# Altium PCB 主控板20160428.PcbDoc
Units mm, origin at the board's own origin, x right, y up, seen from the top; angles counter-clockwise.
Board outline 105 x 80 mm, 2 copper layers (Top Layer, Bottom Layer); 83 components, 134 nets, 479 pads, 188 vias.
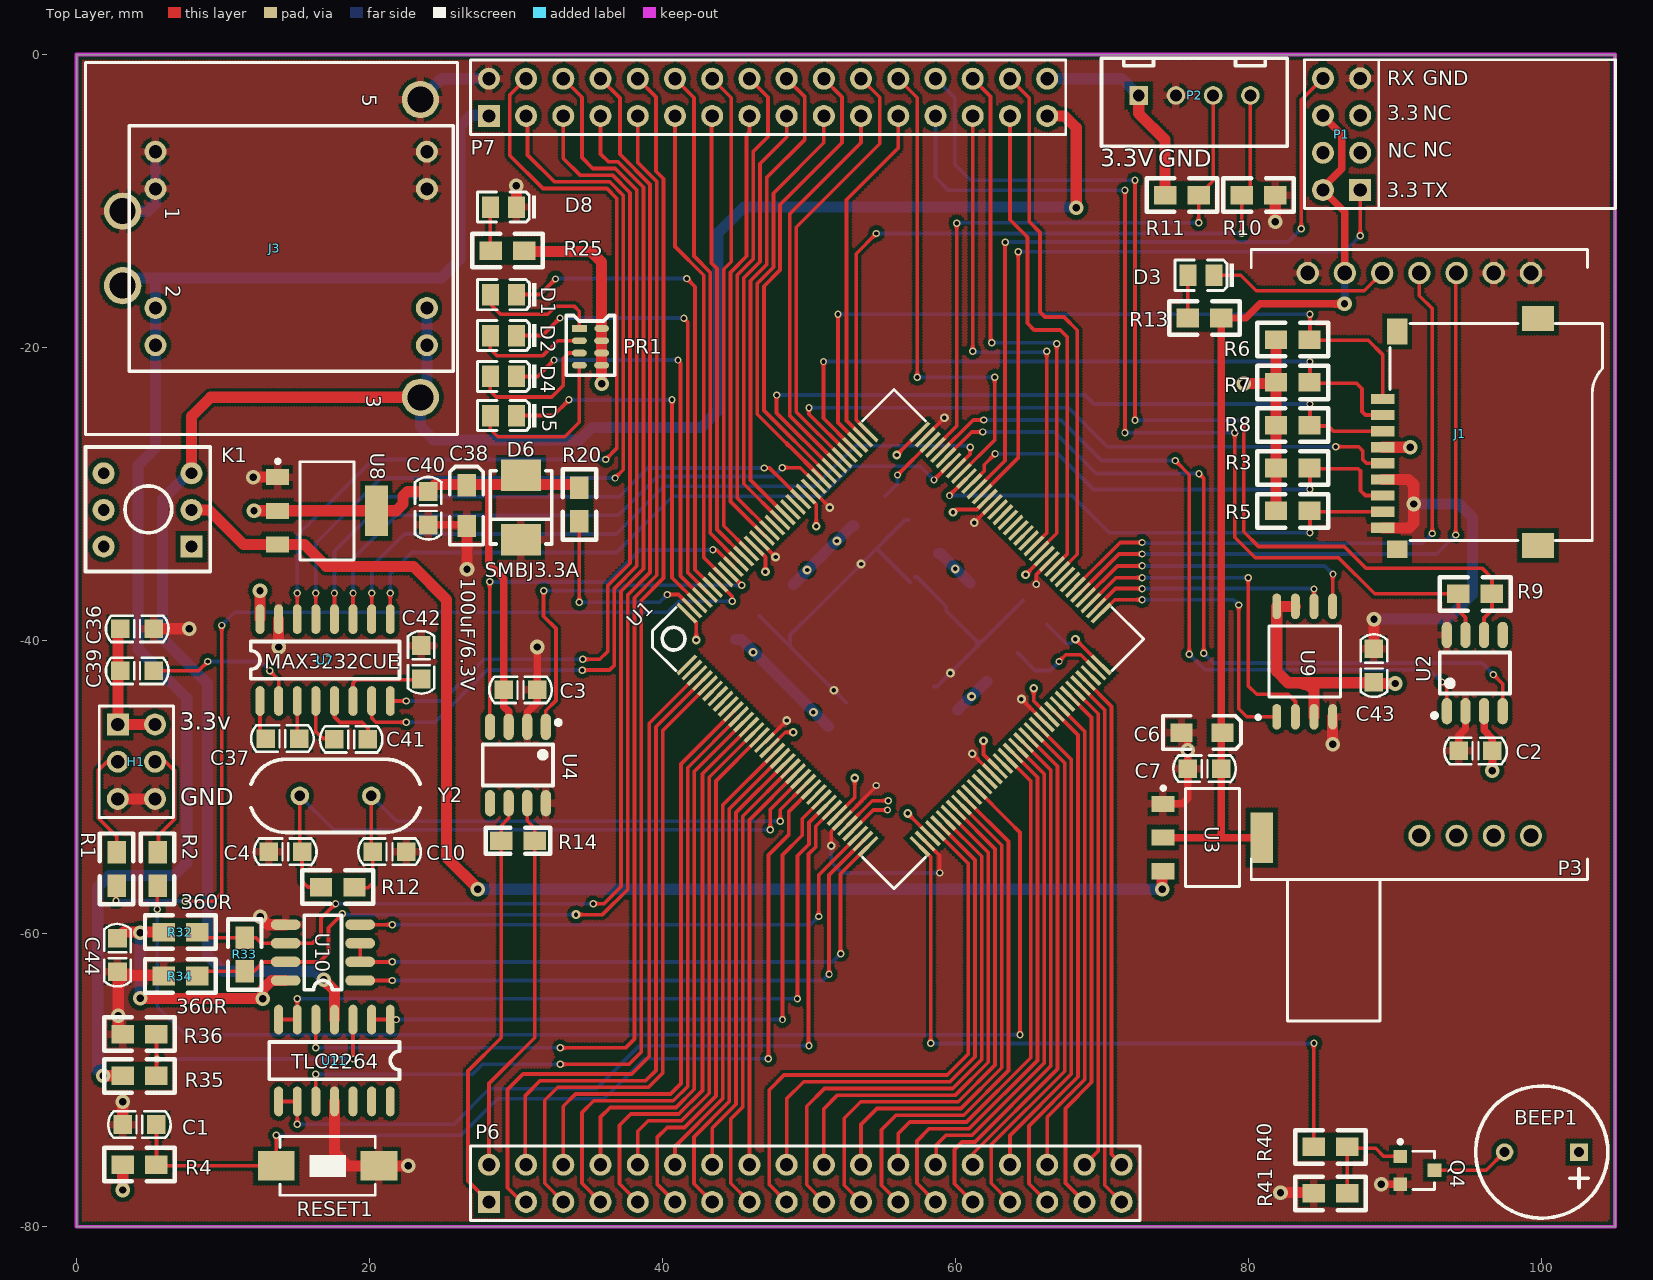
[diagram p0: Top Layer view]
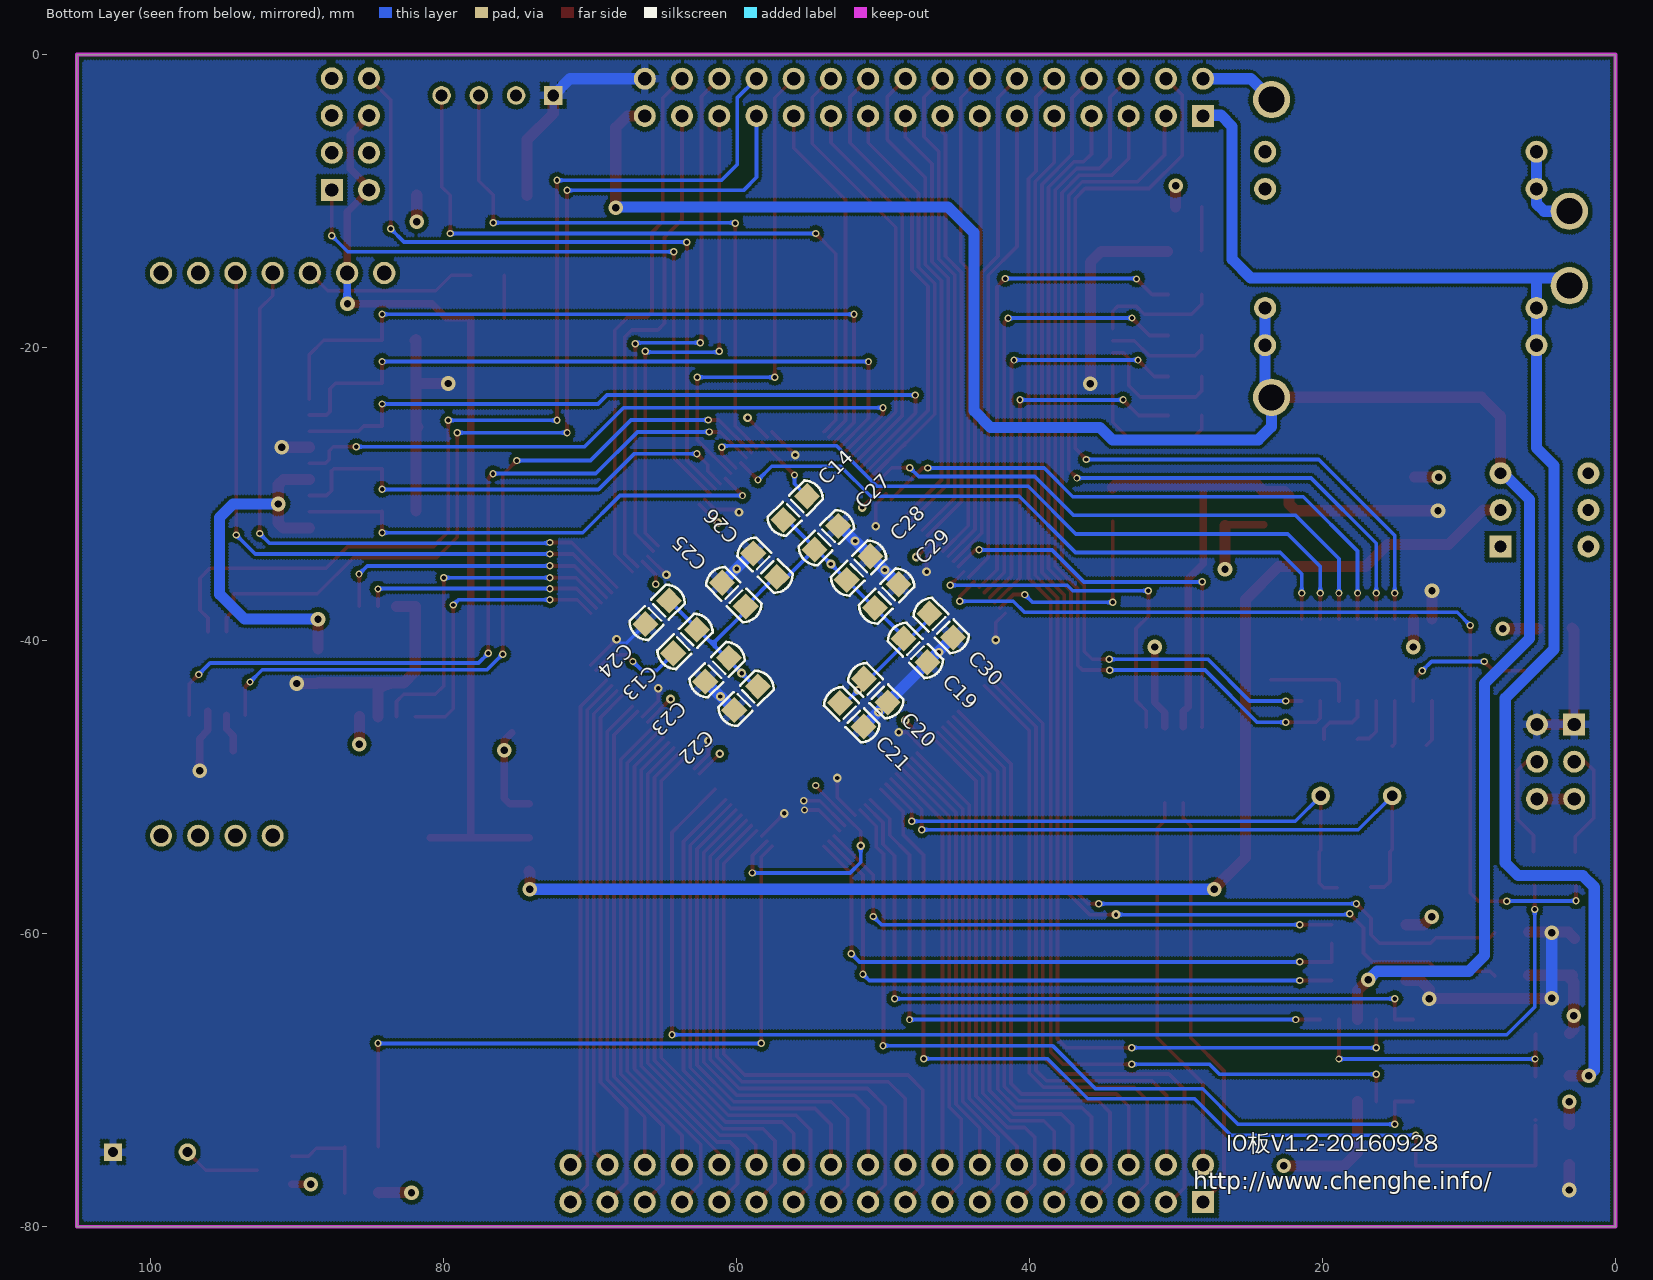
[diagram p1: Bottom Layer view, seen from below]
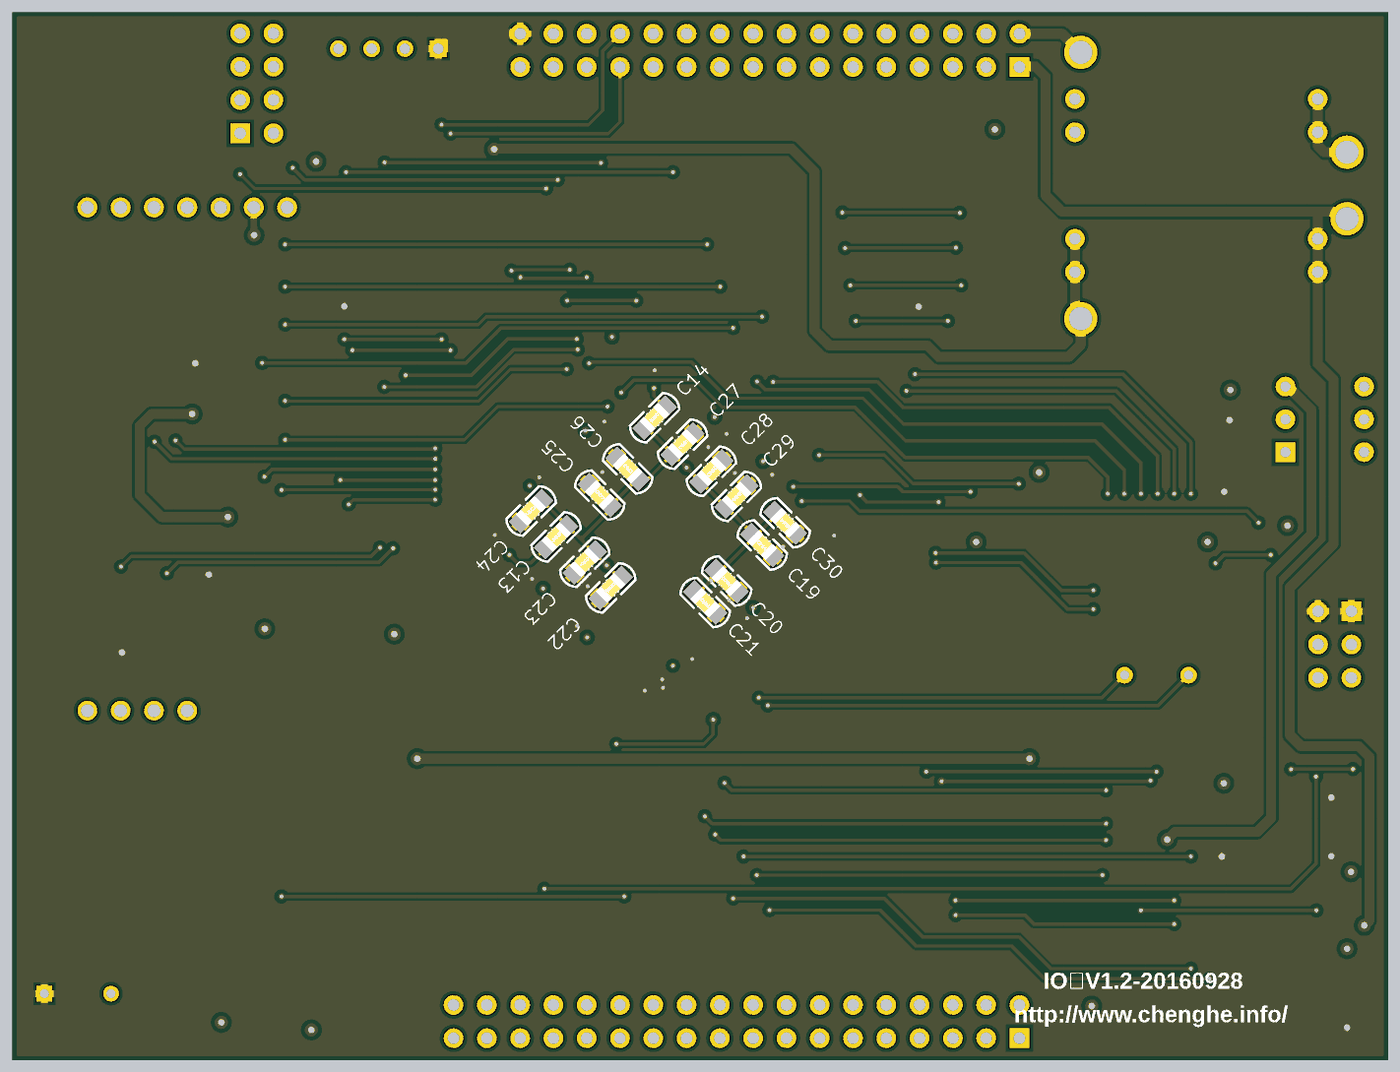
[diagram p2: 3D render of the assembled board from below, using the file's embedded part models]

## Layer stack, top to bottom
Top Solder: solder mask 0.0102, Solder Resist, Dk 3.5
Top Layer: signal copper 0.0356
Dielectric1: core 0.32, FR-4, Dk 4.8
Bottom Layer: signal copper 0.0356
Bottom Solder: solder mask 0.0102, Solder Resist, Dk 3.5

## Board outline
0,0 105,0 105,-80 0,-80 0,0

## Design rules (kind name [scope] priority, off if disabled: settings)
Clearance ispad [IsPad vs InPolygon] p1: gap=0.3
Clearance isvia [IsVia vs InPolygon] p2: gap=0.3
Clearance [All] p3: gap=0.203
HoleToHoleClearance [All] p1: gap=0.102 allowstackedmicrovias=TRUE
MinimumSolderMaskSliver [All] p1: minsoldermaskwidth=0
PolygonConnect PolygonConnect_1 [IsVia] p1: connectstyle=Direct reliefconductorwidth=0.254 reliefentries=4 polygonreliefangle="90 Angle" airgapwidth=0.254
PolygonConnect [IsPad] p2: connectstyle=Relief reliefconductorwidth=0.508 reliefentries=4 polygonreliefangle="90 Angle" airgapwidth=0.254
RoutingVias [All] p1: holewidth=0.711 width=1.27 viastyle="Through Hole" minholewidth=0.25 minwidth=0.5 maxholewidth=0.711 maxwidth=1.27
SilkToSilkClearance [All] p1: silktosilkclearance=-1
SilkToSolderMaskClearance SilkscreenOverComponentPads [IsPad] p1: minsilkscreentomaskgap=-1 clearancetoexposedcopper=TRUE
SolderMaskExpansion [All] p1: expansion=0.102
UnpouredPolygon [All] p1: allowunpoured=FALSE
Width [All] p1: maxlimit=2.54 minlimit=0.152 preferedwidth=0.254
25 further rules are at their usual default settings.

## Components (designator, comment, footprint, x,y, rotation, side; value= is the part's Value field where it differs from the comment)
BEEP1 "BEEP" BELL-5 102.54,-74.905 r180 top
C1 "0.1uF" C0805 4.293,-73.025 r180 top
C2 "104" C0805 95.479,-47.523 r180 top
C3 "104" C0805 30.302,-43.358 r0 top
C4 "22pF" C0805 14.249,-54.407 r0 top
C6 "100uF/6.3V" 3216 76.81,-46.279 r0 top
C7 "0.1uF" C0805 76.987,-48.743 r0 top
C10 "22pF" C0805 21.361,-54.407 r180 top
C13 "2.2uF" C0805 63.495,-40.051 r135 bottom
C14 "2.2uF" C0805 55.977,-30.958 r315 bottom
C19 "0.1uF" C0805 47.773,-40.67 r225 bottom
C20 "0.1uF" C0805 50.484,-43.413 r225 bottom
C21 "0.1uF" C0805 52.125,-45.055 r225 bottom
C22 "0.1uF" C0805 59.33,-43.937 r315 bottom
C23 "0.1uF" C0805 61.311,-41.982 r315 bottom
C24 "0.1uF" C0805 65.4,-38.07 r315 bottom
C25 "0.1uF" C0805 60.168,-36.86 r45 bottom
C26 "0.1uF" C0805 58.034,-34.853 r45 bottom
C27 "0.1uF" C0805 53.853,-32.974 r135 bottom
C28 "0.1uF" C0805 51.652,-35.047 r135 bottom
C29 "0.1uF" C0805 49.738,-36.962 r135 bottom
C30 "0.1uF" C0805 46.02,-38.968 r225 bottom
C36 "0.1uF" C0805 4.14,-39.192 r180 top
C37 "0.1uF" C0805 14.046,-46.685 r0 top
C38 "100uF/6.3V" 3216 26.619,-30.785 r90 top
C39 "0.1uF" C0805 4.14,-42.062 r180 top
C40 "0.1uF" C0805 24.003,-30.963 r90 top
C41 "0.1uF" C0805 18.745,-46.736 r0 top
C42 "0.1uF" C0805 23.52,-41.478 r90 top
C43 "0.1uF" C0805 88.544,-41.707 r90 top
C44 "0.1uF" C0805 2.794,-61.468 r270 top
D1 "LED0" LC-0805_LED_S1 28.245,-16.383 r180 top
D2 "LED0" LC-0805_LED_S1 28.245,-19.177 r180 top
D3 "LED0" LC-0805_LED_S1 75.844,-15.062 r180 top
D4 "LED0" LC-0805_LED_S1 28.245,-21.971 r180 top
D5 "LED0" LC-0805_LED_S1 28.245,-24.638 r180 top
D6 "SMBJ3.3A" SMB(DO-214AA)_S1 30.328,-30.912 r90 top
D8 "LED0" LC-0805_LED_S1 28.237,-10.407 r180 top
H1 "Header 3X2" HDR2X3 2.819,-45.72 r270 top
J1 "SDCARD-M" SDCARD-M 100.146,-25.753 r0 top
J3 "WD5-24S5A1" WD5-24S3V3 3.15,-10.693 r0 top locked
K1 "BUTTON" BTN8.5*8.5 7.849,-33.579 r180 top
P1 "WIFI" HDR2X4_CEN 87.605,-9.246 r90 top
P2 "Header 4H" IDE4 72.492,-2.794 r0 top
P3 "Header 7" AS50-T27 84.023,-14.91 r270 top locked
P6 "Header 18X2" HDR2X18 28.143,-78.308 r0 top
P7 "Header 16X2" HDR2X16 28.143,-4.191 r0 top
PR1 "1K" TPPZ 34.451,-18.69 r0 top
Q4 "S8050" SOT-23R 91.389,-76.149 r270 top
R1 "10K" 0805 2.743,-56.718 r90 top
R2 "10K" 0805 5.537,-54.432 r270 top
R3 "10K" 0805 84.15,-28.219 r180 top
R4 "10K" 0805 5.436,-75.768 r180 top
R5 "10K" 0805 84.15,-31.14 r180 top
R6 "10K" 0805 84.15,-19.456 r180 top
R7 "10K" 0805 84.15,-22.377 r180 top
R8 "10K" 0805 84.15,-25.298 r180 top
R9 "120R" 0805 96.596,-36.805 r180 top
R10 "10K" 0805 81.813,-9.601 r180 top
R11 "10K" 0805 74.295,-9.601 r0 top
R12 "1M" 0805 18.974,-56.82 r180 top
R13 "1k" 0805 78.13,-17.983 r180 top
R14 "120R" 0805 28.981,-53.67 r0 top
R20 "0R" 0805 34.315,-31.852 r90 top
R25 "1k" 0805 30.556,-13.386 r180 top
R32 "360R" 0805 8.23,-59.893 r180 top
R33 "120R" 0805 11.481,-60.274 r270 top
R34 "360R" 0805 5.944,-62.89 r0 top
R35 "10K/1%" 0805 5.436,-69.706 r180 top
R36 "1K/1%" 0805 3.15,-66.853 r0 top
R40 "1K" 0805 84.43,-74.549 r0 top
R41 "10K" 0805 84.43,-77.724 r0 top
RESET1 "KEY_M" SW_PB2_A1 17.196,-75.844 r90 top
U1 "STM32F407ZET6" LQFP144 41.656,-41.656 r45 top locked
U2 "SN65HVD230" LC-SOIC-8_150mil 95.428,-42.215 r0 top
U3 "AMS1117-3.3" SOT-223 77.521,-53.442 r270 top
U4 "SN65HVD230" LC-SOIC-8_150mil 30.124,-48.489 r180 top
U7 "MAX3232CUE" SO-16 12.522,-44.12 r90 top
U8 "AMS1117-3.3" SOT-223 17.094,-31.14 r270 top
U9 "W25Q128" SOIC8_W 83.82,-41.427 r90 top
U10 "SP3485" SO-8 19.355,-63.195 r180 top
U11 "TLC2264" SO-14 21.412,-65.862 r270 top
Y2 "8MHz" XTAL_US 20.12,-50.597 r180 top

## Footprints (in the part's own frame and the unit in brackets; to place one, negate y for a bottom-side part, rotate by r counter-clockwise, add the part's x,y. Pads: shape width x height; smd on the part's side, far side on the other; paste and mask are expansions set on the pad)
0805 [mil]
  rect 60x50 smd: 1(0,0) 2(90,0)
  silkscreen extent -50,-45 140,45
3216 [mil]
  rect 60x50 smd: 1(55,0) 2(-55,0)
  silkscreen extent -105,-45 105,45, body extent -65,-31 61,32, height 63
AS50-T27 [mm]
  round 1.5 hole 1: 0(38.4,7.62) 0(38.4,10.16) 0(38.4,12.7) 0(38.4,15.24)
  round 1.524 hole 1: 1(0,0) 2(0,2.54) 3(0,5.08) 4(0,7.62) 5(0,10.16) 6(0,12.7) 7(0,15.24)
  silkscreen extent -1.6,-3.85 51.05,19.09
BELL-5 [mm]
  rect 1.2x1.2 hole 0.7: 1(0,0)
  round 1.2 hole 0.7: 2(5.08,0)
  silkscreen extent -1.97,-4.51 7.05,4.51
BTN8.5*8.5 [mm]
  rect 1.5x1.5 hole 0.8: 1(0,0)
  round 1.5 hole 0.8: 2(0,-2.5) 3(0,-5) 4(6,-5) 5(6,-2.5) 6(6,0)
  silkscreen extent -1.27,-6.79 7.23,1.71
C0805 [mil]
  rect 50x50 smd: 1(-45,0) 2(45,0)
  silkscreen extent -84,-36 84,36, body extent -39,-25 40,24, height 20
HDR2X3 [mm]
  rect 1.5x1.5 hole 0.9: 1(0,0)
  round 1.5 hole 0.9: 2(0,2.54) 3(2.54,0) 4(2.54,2.54) 5(5.08,0) 6(5.08,2.54)
  silkscreen extent -1.27,-1.27 6.35,3.81
HDR2X4_CEN [mm]
  rect 1.5x1.5 hole 0.9: 1(0,0)
  round 1.5 hole 0.9: 2(2.54,0) 3(5.08,0) 4(7.62,0) 5(0,2.54) 6(2.54,2.54) 7(5.08,2.54) 8(7.62,2.54)
  silkscreen extent -1.27,-1.27 8.89,3.81
HDR2X16 [mm] "Connec"
  rect 1.5x1.5 hole 0.9: 1(0,0)
  round 1.5 hole 0.9: 2(0,2.54) 3(2.54,0) 4(2.54,2.54) 5(5.08,0) 6(5.08,2.54) 7(7.62,0) 8(7.62,2.54) 9(10.16,0) 10(10.16,2.54) 11(12.7,0) 12(12.7,2.54) 13(15.24,0) 14(15.24,2.54) 15(17.78,0) 16(17.78,2.54) 17(20.32,0) 18(20.32,2.54) 19(22.86,0) 20(22.86,2.54) 21(25.4,0) 22(25.4,2.54) 23(27.94,0) 24(27.94,2.54) 25(30.48,0) 26(30.48,2.54) 27(33.02,0) 28(33.02,2.54) 29(35.56,0) 30(35.56,2.54) 31(38.1,0) 32(38.1,2.54)
  silkscreen extent -1.27,-1.27 39.37,3.81
HDR2X18 [mm] "Connector; Hea"
  rect 1.5x1.5 hole 0.9: 1(0,0)
  round 1.5 hole 0.9: 2(0,2.54) 3(2.54,0) 4(2.54,2.54) 5(5.08,0) 6(5.08,2.54) 7(7.62,0) 8(7.62,2.54) 9(10.16,0) 10(10.16,2.54) 11(12.7,0) 12(12.7,2.54) 13(15.24,0) 14(15.24,2.54) 15(17.78,0) 16(17.78,2.54) 17(20.32,0) 18(20.32,2.54) 19(22.86,0) 20(22.86,2.54) 21(25.4,0) 22(25.4,2.54) 23(27.94,0) 24(27.94,2.54) 25(30.48,0) 26(30.48,2.54) 27(33.02,0) 28(33.02,2.54) 29(35.56,0) 30(35.56,2.54) 31(38.1,0) 32(38.1,2.54) 33(40.64,0) 34(40.64,2.54) 35(43.18,0) 36(43.18,2.54)
  silkscreen extent -1.27,-1.27 44.45,3.81
IDE4 [mil]
  rect 50x50 hole 32: 1(0,0)
  round 50 hole 32: 2(100,0) 3(200,0) 4(300,0)
  silkscreen extent -100,-136 399,100
LC-0805_LED_S1 [mm]
  rect 1.16x1.47 smd: A(0.001,0) K(-1.779,0)
  silkscreen extent -3.13,-1.04 0.88,1.03, body extent -1.9,-0.62 0.12,0.62, height 1.1
LC-SOIC-8_150mil [mm]
  oval 0.7x1.8 smd: 1(-1.905,-2.6) 2(-0.635,-2.6) 3(0.635,-2.6) 4(1.905,-2.6) 5(1.905,2.6) 6(0.635,2.6) 7(-0.635,2.6) 8(-1.905,2.6)
  silkscreen extent -2.9,-3.05 2.4,1.4
LQFP144 [mm]
  rect 1.8x0.254 smd: 1(-0.009,0.001) 2(-0.009,-0.499) 3(-0.009,-0.999) 4(-0.009,-1.499) 5(-0.009,-1.999) 6(-0.009,-2.499) 7(-0.009,-2.999) 8(-0.009,-3.499) 9(-0.009,-3.999) 10(-0.009,-4.499) 11(-0.009,-4.999) 12(-0.009,-5.499) 13(-0.009,-5.999) 14(-0.009,-6.499) 15(-0.009,-6.999) 16(-0.009,-7.499) 17(-0.009,-7.999) 18(-0.009,-8.499) 19(-0.009,-8.999) 20(-0.009,-9.499) 21(-0.009,-9.999) 22(-0.009,-10.499) 23(-0.009,-10.999) 24(-0.009,-11.499) 25(-0.009,-11.999) 26(-0.009,-12.499) 27(-0.009,-12.999) 28(-0.009,-13.499) 29(-0.009,-13.999) 30(-0.009,-14.499) 31(-0.009,-14.999) 32(-0.009,-15.499) 33(-0.009,-15.999) 34(-0.009,-16.499) 35(-0.009,-16.999) 36(-0.009,-17.499) 73(22.491,-17.499) 74(22.491,-16.999) 75(22.491,-16.499) 76(22.491,-15.999) 77(22.491,-15.499) 78(22.491,-14.999) 79(22.491,-14.499) 80(22.491,-13.999) 81(22.491,-13.499) 82(22.491,-12.999) 83(22.491,-12.499) 84(22.491,-11.999) 85(22.491,-11.499) 86(22.491,-10.999) 87(22.491,-10.499) 88(22.491,-9.999) 89(22.491,-9.499) 90(22.491,-8.999) 91(22.491,-8.499) 92(22.491,-7.999) 93(22.491,-7.499) 94(22.491,-6.999) 95(22.491,-6.499) 96(22.491,-5.999) 97(22.491,-5.499) 98(22.491,-4.999) 99(22.491,-4.499) 100(22.491,-3.999) 101(22.491,-3.499) 102(22.491,-2.999) 103(22.491,-2.499) 104(22.491,-1.999) 105(22.491,-1.499) 106(22.491,-0.999) 107(22.491,-0.499) 108(22.491,0.001)
  rect 0.254x1.8 smd: 37(2.491,-19.999) 38(2.991,-19.999) 39(3.491,-19.999) 40(3.991,-19.999) 41(4.491,-19.999) 42(4.991,-19.999) 43(5.491,-19.999) 44(5.991,-19.999) 45(6.491,-19.999) 46(6.991,-19.999) 47(7.491,-19.999) 48(7.991,-19.999) 49(8.491,-19.999) 50(8.991,-19.999) 51(9.491,-19.999) 52(9.991,-19.999) 53(10.491,-19.999) 54(10.991,-19.999) 55(11.491,-19.999) 56(11.991,-19.999) 57(12.491,-19.999) 58(12.991,-19.999) 59(13.491,-19.999) 60(13.991,-19.999) 61(14.491,-19.999) 62(14.991,-19.999) 63(15.491,-19.999) 64(15.991,-19.999) 65(16.491,-19.999) 66(16.991,-19.999) 67(17.491,-19.999) 68(17.991,-19.999) 69(18.491,-19.999) 70(18.991,-19.999) 71(19.491,-19.999) 72(19.991,-19.999) 109(19.991,2.501) 110(19.491,2.501) 111(18.991,2.501) 112(18.491,2.501) 113(17.991,2.501) 114(17.491,2.501) 115(16.991,2.501) 116(16.491,2.501) 117(15.991,2.501) 118(15.491,2.501) 119(14.991,2.501) 120(14.491,2.501) 121(13.991,2.501) 122(13.491,2.501) 123(12.991,2.501) 124(12.491,2.501) 125(11.991,2.501) 126(11.491,2.501) 127(10.991,2.501) 128(10.491,2.501) 129(9.991,2.501) 130(9.491,2.501) 131(8.991,2.501) 132(8.491,2.501) 133(7.991,2.501) 134(7.491,2.501) 135(6.991,2.501) 136(6.491,2.501) 137(5.991,2.501) 138(5.491,2.501) 139(4.991,2.501) 140(4.491,2.501) 141(3.991,2.501) 142(3.491,2.501) 143(2.991,2.501) 144(2.491,2.501)
  silkscreen extent -0.81,-20.8 23.29,3.3
SDCARD-M [mm]
  rect 1.6x0.7 smd: 1(-11.008,2.25) 2(-11.008,1.15) 3(-11.008,0.05) 4(-11.008,-1.05) 5(-11.008,-2.15) 6(-11.008,-3.25) 7(-11.008,-4.35) 8(-11.008,-5.45) 9(-11.008,-6.55)
  rect 1.4x1.2 smd: 10(-10,-8.004)
  rect 2.2x1.7 smd: 11(-0.4,-7.75) 13(-0.4,7.75)
  rect 1.4x1.8 smd: 12(-10,6.85)
  silkscreen extent -10.5,-7.4 4,7.4
SMB(DO-214AA)_S1 [mm]
  rect 2.159x2.743 smd: 1(2.21,0) 2(-2.21,0)
  silkscreen extent -2.5,-2.1 2.5,2.1
SO-8 [mil]
  oval 80x28 smd: 1(0,0) 2(0,-50) 3(0,-100) 4(0,-150) 5(200,-150) 6(200,-100) 7(200,-50) 8(200,0)
  silkscreen extent 50,-175 150,25
SO-14 [mil]
  oval 80x24 smd: 1(0,0) 2(0,-50) 3(0,-100) 4(0,-150) 5(0,-200) 6(0,-250) 7(0,-300) 8(220,-300) 9(220,-250) 10(220,-200) 11(220,-150) 12(220,-100) 13(220,-50) 14(220,0)
  silkscreen extent 60,-325 160,25
SO-16 [mil]
  oval 80x24 smd: 1(0,0) 2(0,-50) 3(0,-100) 4(0,-150) 5(0,-200) 6(0,-250) 7(0,-300) 8(0,-350) 9(220,-350) 10(220,-300) 11(220,-250) 12(220,-200) 13(220,-150) 14(220,-100) 15(220,-50) 16(220,0)
  silkscreen extent 60,-375 160,25
SOIC8_W [mm]
  oval 1.75x0.6 smd: 1(-3.768,1.905) 2(-3.768,0.635) 3(-3.768,-0.635) 4(-3.768,-1.905) 5(3.768,-1.905) 6(3.768,-0.635) 7(3.768,0.635) 8(3.768,1.905)
  silkscreen extent -3.93,-2.45 2.41,3.3
SOT-23R [mm]
  rect 0.9x0.95 smd: 1(0.95,-1.048) 2(-0.95,-1.048) 3(0,1.302)
  silkscreen extent -2.07,-1.17 1.3,1.3
SOT-223 [mm]
  rect 1.1x1.55 smd: 1(-2.3,-3.375) 2(0,-3.375) 3(2.3,-3.375)
  rect 3.45x1.55 smd: 4(0,3.375)
  silkscreen extent -3.5,-3.48 3.35,1.85, body extent -3.3,-3.94 3.3,3.43, height 0.8
SW_PB2_A1 [mm]
  rect 2x2.5 smd: 1(0,3.556) 2(0,-3.444)
  silkscreen extent -2,-3.19 2,3.31, body extent -2.03,-3.17 2.03,3.3, height 1.2
TPPZ [mil]
  rect 40x18 smd: 1(-5.35,-0.18)
  oval 40x18 smd: 2(-5.35,-33.18) 3(-5.35,-66.18) 4(-5.35,-99.18) 5(54.65,-99.18) 6(54.65,-66.18) 7(54.65,-33.18)
  oval 39x18 smd: 8(54.65,-0.18)
  silkscreen extent -40,-126 90,35
WD5-24S3V3 [mm]
  round 2.54 hole 1.778: 1(0,0) 2(0,-5.08) 3(20.32,-12.7) 5(20.32,7.62)
  round 1.5 hole 0.9: 1(2.235,1.524) 1(2.235,4.064) 2(2.235,-9.144) 2(2.235,-6.604) 3(20.759,-9.144) 3(20.759,-6.604) 5(20.759,1.524) 5(20.759,4.064)
  silkscreen extent -2.54,-15.24 22.86,10.16
XTAL_US [mil]
  round 50 hole 28: 1(0,0) 2(192.13,0)
  silkscreen extent -131,-98 323,98

## Part data
C1 C7 C13 C14 C19 C20 C21 C22 C23 C24 C25 C26 C27 C28 C29 C30 C40 C43: library part C
C2 C3 C4 C10 C44: library part C_3
C6 C38: library part CAP
C36: library part C_2
C37 C39 C41 C42: library part Cap, "Capacitor"
D1 D2 D3 D4 D5 D8: "Typical INFRARED GaAs LED"
D6: library part "Diode 18TQ045", "Schottky Rectifier"
H1: "Header, 3-Pin, Dual row"
J1: "TF卡槽"
J3: library part WD5-24S3V3A1
P1: library part "Header 4X2A", "Header, 4-Pin, Dual row"
P2: "Header, 4-Pin, Right Angle"
P3: "Header, 7-Pin"
P6: "Header, 18-Pin, Dual row"
P7: "Header, 16-Pin, Dual row"
PR1: library part PZ
Q4: library part NPN, "8050/BCW846/BCW847"
R1 R2: library part R_1
R3 R5 R6 R7 R8: library part Res1, "贴片电阻"
R4 R9 R13 R14 R20 R25 R32 R33 R34: library part R_2
R10 R11: library part RES2
R12 R40 R41: library part R
R35 R36: library part Res2, "Resistor"
U2 U4: library part SN65HVD230D
U3 U8: library part AMS1117
U9: library part W25QXX, "SPI FLASH"
Y2: library part XTAL, "Crystal Oscillator"

## Via types
v1: diameter 0.5, hole 0.3, Top Layer to Bottom Layer, tented both sides, 124 vias
v2: diameter 1, hole 0.5, Top Layer to Bottom Layer, tented both sides, 34 vias
v3: diameter 0.6, hole 0.3, Top Layer to Bottom Layer, tented both sides, 30 vias

## Nets (pads, with @x,y where several pads share a name; then routed paths per layer and width w, separated by ;. In a path a pad name is that pad's centre, name@x,y a point inside that pad or via, vN(x,y) a via of type N, cw(c..) or ccw(c..) an arc to the next point about the centre after c; other vN are vias at no path point)
3.3V: C6.1 C7.2 P1.5 P1.7 P3.2 R13.1 U3.2 U3.4 | length 65.7
  Top Layer w0.508: U3.2 77.927,-53.442 ; U3.4 77.927,-53.442 ; P1.7 86.36,-5.461 86.36,-7.798 85.065,-9.093 P1.5 86.563,-10.744 P3.2 ; v2(86.538,-17.018) 80.772,-17.018 79.807,-17.983 R13.1 C7.2 78.13,-53.238 77.927,-53.442
  Bottom Layer w0.508: v2(86.538,-17.018) 86.563,-16.993 P3.2
AUX: D3.K P3.3 | length 11.9
  Top Layer w0.254: D3.K@78.13,-15.062 79.451,-15.062 80.518,-16.129 87.884,-16.129 P3.3
BEEP: R40.1 U1.37 | length 47
  Top Layer w0.254: U1.37 58.293,-54.77 v1(58.293,-67.488) ; R40.1 v1@84.43,-67.488
  Bottom Layer w0.254: v1(58.293,-67.488) v1(84.455,-67.488)
BOOT0: R1.1 U1.138 | length 64
  Top Layer w0.254: R1.1@2.692,-56.744 2.696,-56.748 v1(2.696,-57.764) ; v1(7.417,-57.785) 9.347,-57.785 9.906,-57.226 v1(9.906,-38.964) ; U1.138 44.755,-36.989 v1(44.755,-37.313)
  Bottom Layer w0.254: v1(2.696,-57.764) 7.395,-57.764 v1(7.417,-57.785) ; v1(9.906,-38.964) 10.799,-38.071 40.339,-38.071 41.097,-37.313 v1(44.755,-37.313)
BOOT1: R2.2 U1.48 | length 85.9
  Top Layer w0.254: v1(5.512,-58.344) 5.512,-56.744 R2.2 ; U1.48 63.627,-52.326 64.389,-53.088 v1(64.389,-66.904)
  Bottom Layer w0.254: v1(5.512,-58.344) 5.512,-64.999 7.417,-66.904 v1(64.389,-66.904)
BY_KC1: P7.21 U1.115 | length 27
  Top Layer w0.254: U1.115 48.666,-24.638 48.666,-10.897 53.543,-6.02 P7.21
BY_KC2: P7.20 U1.117 | length 31.4
  Top Layer w0.254: P7.20 52.248,-2.896 52.248,-6.02 48.017,-10.25 48.017,-14.714 46.914,-15.817 46.914,-24.299 U1.117
BY_KC3: P7.19 U1.118 | length 31.9
  Top Layer w0.254: P7.19 51.003,-6.02 47.56,-9.463 47.56,-14.524 46.457,-15.628 46.457,-24.549 48.475,-26.567 ; 48.475,-26.567 U1.118 50.842,-28.874 48.475,-26.507 48.475,-26.567
CAN2_H: P6.2 R14.2 U4.7 | length 26.2
  Top Layer w0.254: P6.2 28.143,-70.231 31.267,-67.107 R14.2 31.267,-52.807 30.759,-52.299 U4.7
CAN2_L: P6.1 R14.1 U4.6 | length 29
  Top Layer w0.254: P6.1 26.721,-76.886 26.721,-69.367 28.981,-67.107 R14.1 28.981,-52.629 29.489,-52.121 U4.6
CAN2_RX: U1.135 U4.4 | length 27.9
  Top Layer w0.254: v1(28.194,-35.992) 28.194,-45.863 U4.4 ; v1(43.434,-33.807) 43.694,-33.807 U1.135
  Bottom Layer w0.254: v1(28.194,-35.992) 36.271,-35.992 38.456,-33.807 v1(43.434,-33.807)
CAN2_TX: U1.136 U4.1 | length 24.9
  Top Layer w0.254: v1(31.877,-36.601) 31.877,-38.329 32.715,-39.167 32.715,-44.094 32.029,-44.78 U4.1 ; U1.136 v1(45.4,-36.22) v1@45.415,-36.22
  Bottom Layer w0.254: v1(31.877,-36.601) 37.033,-36.601 37.414,-36.22 v1(45.4,-36.22)
CAN_H: P7.25 R9.2 U2.7 | length 68.3
  Top Layer w0.254: v1(71.552,-25.806) v1(71.552,-9.271) ; v1(79.045,-25.806) 79.045,-32.944 80.442,-34.341 86.131,-34.341 88.595,-36.805 R9.2 94.31,-37.948 94.793,-38.43 U2.7@94.793,-39.385